# KiCad board EOutside.kicad_pcb (continued)
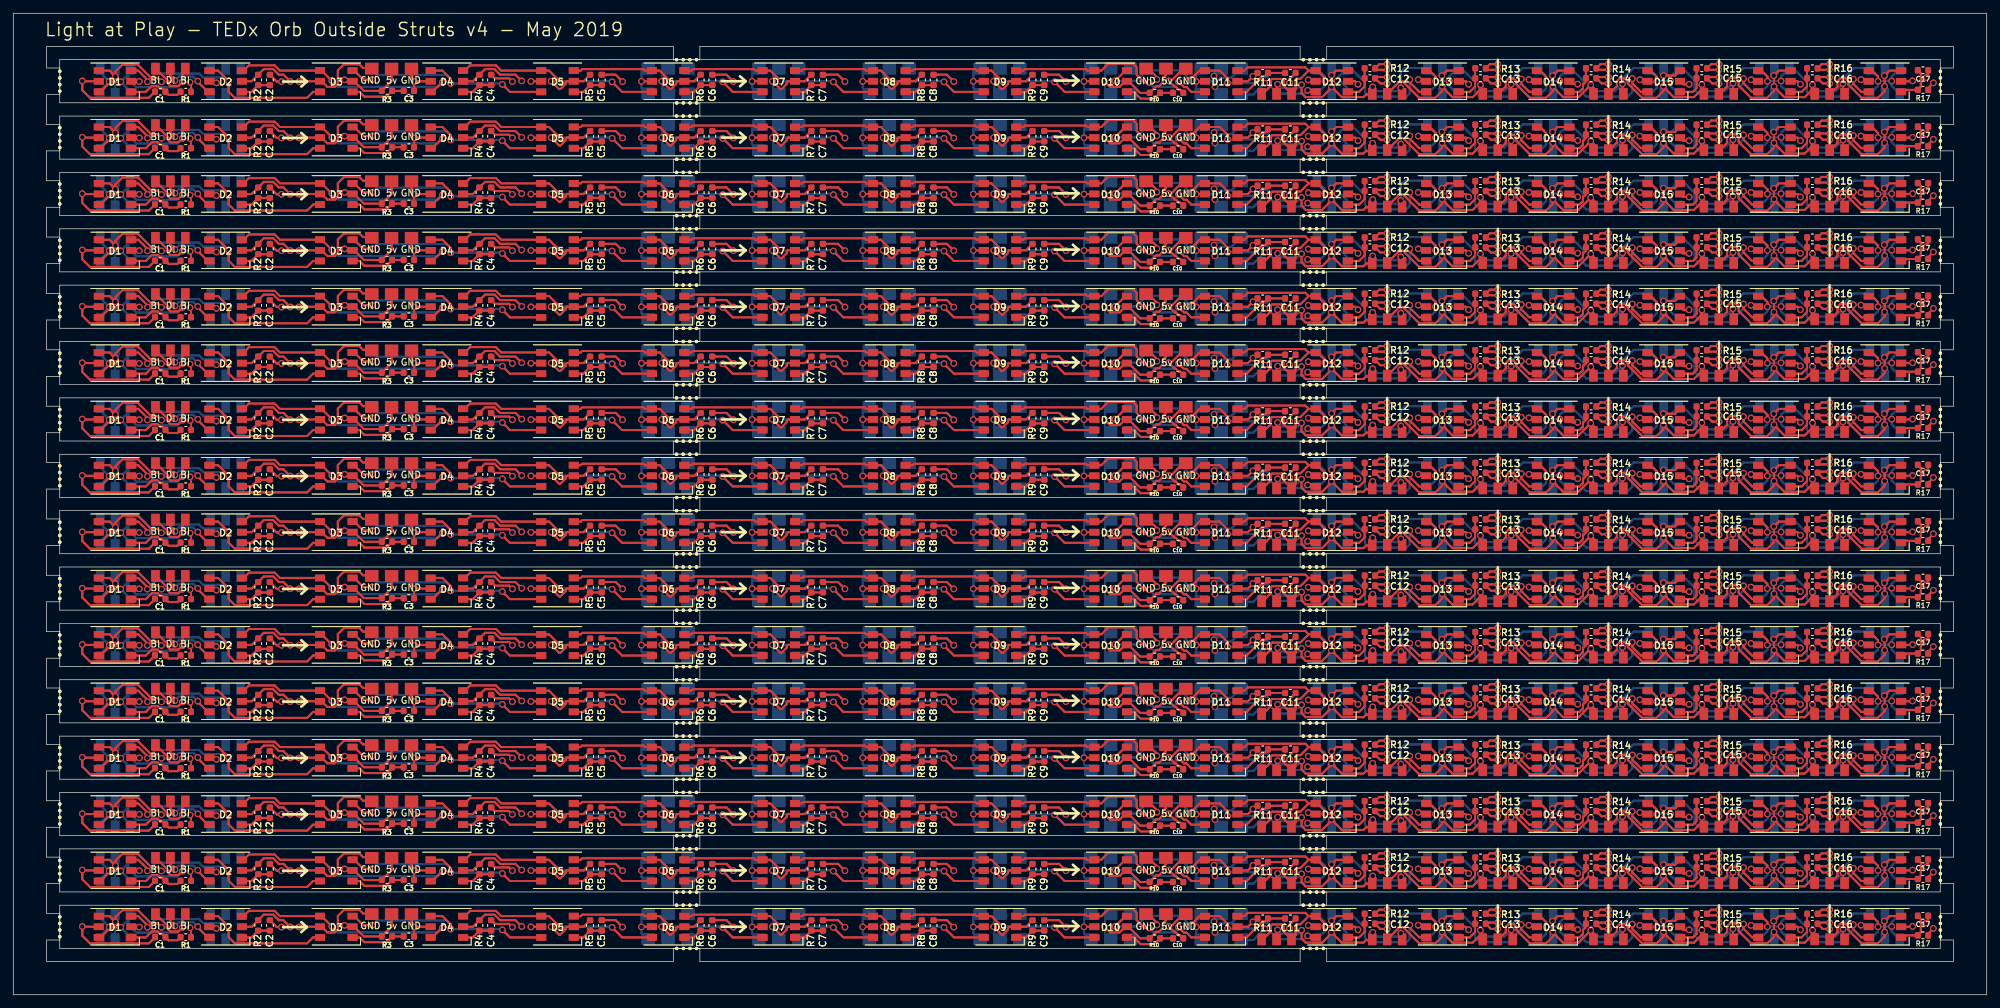
[diagram p0: board, top side]
## Routing (per net, layer and track width the routed paths; a pad name or vN(x,y) marks a point on that pad's centre or on a via; arc(x,y) is an arc through that point) (continued)
Net-(D13-Pad3): length 2307.6
  Top w0.3: 207,127.35 207,127.25 207,127.35 ; 207,127.35 208.85,129.2 ; 207,127.35 208.85,129.2 ; 209.37,129.2 211.82,126.75 ; 209.37,129.2 208.85,129.2 ; 209.37,129.2 208.85,129.2 ; 209.37,129.2 211.82,126.75 ; 211.82,126.75 214.27,126.75 ; 211.82,126.75 214.27,126.75 ; 215.28,127.77 v1(215.28,128.47) ; 215.28,127.77 214.27,126.75 ; 215.28,127.77 214.27,126.75 ; 215.28,127.77 v1(215.28,128.47) ; v1(215.28,128.47) 215.28,130.06 ; v1(215.28,128.47) 215.28,130.06 ; 216,130.85 D13#2.3 216,130.85 ; 216,130.85 215.75,130.59 ; 216,130.85 215.75,130.59 ; 215.75,130.59 v1(215.25,130.09) ; 215.75,130.59 v1(215.25,130.09) ; v1(215.25,130.09) 215.28,130.06 ; v1(215.25,130.09) 215.28,130.06 ; 230.95,129.93 v1(230.95,129.23) 230.95,129.93 ; 230.95,129.93 230.04,130.85 ; 230.95,129.93 230.04,130.85 ; 230.04,130.85 D14#2.4 230.04,130.85 ; 216.84,126.85 215.27,128.42 216.84,126.85 ; 216.84,126.85 219.88,126.85 ; 216.84,126.85 219.88,126.85 ; 219.88,126.85 221.05,128.02 ; 219.88,126.85 221.05,128.02 ; 221.05,128.02 v1(221.05,128.73) 221.05,128.02 ; 225.68,127.49 225.92,127.25 225.68,127.49 ; 225.68,127.49 225.68,128.07 ; 225.68,127.49 225.68,128.07 ; 225.68,128.07 v1(225.68,128.78) 225.68,128.07 ; 245.22,127.65 D15#2.6 245.22,127.65 ; 245.22,127.65 243.93,128.94 ; 245.22,127.65 243.93,128.94 ; 243.93,128.94 v1(243.93,129.65) 243.93,128.94 ; 207,118.85 207,118.75 207,118.85 ; 207,118.85 208.85,120.7 ; 207,118.85 208.85,120.7 ; 209.37,120.7 211.82,118.25 ; 209.37,120.7 208.85,120.7 ; 209.37,120.7 211.82,118.25 ; 209.37,120.7 208.85,120.7 ; 211.82,118.25 214.27,118.25 ; 211.82,118.25 214.27,118.25 ; 215.28,119.27 v1(215.28,119.97) ; 215.28,119.27 214.27,118.25 ; 215.28,119.27 v1(215.28,119.97) ; 215.28,119.27 214.27,118.25 ; v1(215.28,119.97) 215.28,121.56 ; v1(215.28,119.97) 215.28,121.56 ; 216,122.35 D13#3.3 216,122.35 ; 216,122.35 215.75,122.09 ; 216,122.35 215.75,122.09 ; 215.75,122.09 v1(215.25,121.59) ; 215.75,122.09 v1(215.25,121.59) ; v1(215.25,121.59) 215.28,121.56 ; v1(215.25,121.59) 215.28,121.56 ; 230.95,121.43 v1(230.95,120.73) 230.95,121.43 ; 230.95,121.43 230.04,122.35 ; 230.95,121.43 230.04,122.35 ; 230.04,122.35 D14#3.4 230.04,122.35 ; 216.84,118.35 215.27,119.92 216.84,118.35 ; 216.84,118.35 219.88,118.35 ; 216.84,118.35 219.88,118.35 ; 219.88,118.35 221.05,119.52 ; 219.88,118.35 221.05,119.52 ; 221.05,119.52 v1(221.05,120.23) 221.05,119.52 ; 225.68,118.99 225.92,118.75 225.68,118.99 ; 225.68,118.99 225.68,119.57 ; 225.68,118.99 225.68,119.57 ; 225.68,119.57 v1(225.68,120.28) 225.68,119.57 ; 245.22,119.15 D15#3.6 245.22,119.15 ; 245.22,119.15 243.93,120.44 ; 245.22,119.15 243.93,120.44 ; 243.93,120.44 v1(243.93,121.15) 243.93,120.44 ; 243.93,111.94 v1(243.93,112.65) 243.93,111.94 ; 243.93,111.94 245.22,110.65 ; 243.93,111.94 245.22,110.65 ; 245.22,110.65 D15#4.6 245.22,110.65 ; 225.68,110.49 225.68,111.07 ; 225.68,110.49 225.92,110.25 225.68,110.49 ; 225.68,110.49 225.68,111.07 ; 225.68,111.07 v1(225.68,111.78) 225.68,111.07 ; 221.05,111.02 v1(221.05,111.73) 221.05,111.02 ; 221.05,111.02 219.88,109.85 ; 221.05,111.02 219.88,109.85 ; 219.88,109.85 216.84,109.85 ; 219.88,109.85 216.84,109.85 ; 216.84,109.85 215.27,111.42 216.84,109.85 ; 230.04,113.85 D14#4.4 230.04,113.85 ; 230.04,113.85 230.95,112.93 ; 230.04,113.85 230.95,112.93 ; 230.95,112.93 v1(230.95,112.23) 230.95,112.93 ; v1(215.28,111.47) 215.28,113.06 ; v1(215.28,111.47) 215.28,110.77 ; v1(215.28,111.47) 215.28,113.06 ; v1(215.28,111.47) 215.28,110.77 ; 215.28,113.06 v1(215.25,113.09) ; 215.28,113.06 v1(215.25,113.09) ; v1(215.25,113.09) 215.75,113.59 ; v1(215.25,113.09) 215.75,113.59 ; 216,113.85 215.75,113.59 ; 216,113.85 D13#4.3 216,113.85 ; 216,113.85 215.75,113.59 ; 207,110.35 208.85,112.2 ; 207,110.35 207,110.25 207,110.35 ; 207,110.35 208.85,112.2 ; 208.85,112.2 209.37,112.2 ; 208.85,112.2 209.37,112.2 ; 211.82,109.75 214.27,109.75 ; 211.82,109.75 209.37,112.2 ; 211.82,109.75 214.27,109.75 ; 211.82,109.75 209.37,112.2 ; 214.27,109.75 215.28,110.77 ; 214.27,109.75 215.28,110.77 ; 207,135.85 207,135.75 207,135.85 ; 207,135.85 208.85,137.7 ; 207,135.85 208.85,137.7 ; 209.37,137.7 211.82,135.25 ; 209.37,137.7 208.85,137.7 ; 209.37,137.7 211.82,135.25 ; 209.37,137.7 208.85,137.7 ; 211.82,135.25 214.27,135.25 ; 211.82,135.25 214.27,135.25 ; 215.28,136.27 v1(215.28,136.97) ; 215.28,136.27 214.27,135.25 ; 215.28,136.27 v1(215.28,136.97) ; 215.28,136.27 214.27,135.25 ; v1(215.28,136.97) 215.28,138.56 ; v1(215.28,136.97) 215.28,138.56 ; 216,139.35 D13.3 216,139.35 ; 216,139.35 215.75,139.09 ; 216,139.35 215.75,139.09 ; 215.75,139.09 v1(215.25,138.59) ; 215.75,139.09 v1(215.25,138.59) ; v1(215.25,138.59) 215.28,138.56 ; v1(215.25,138.59) 215.28,138.56 ; 230.95,138.43 v1(230.95,137.73) 230.95,138.43 ; 230.95,138.43 230.04,139.35 ; 230.95,138.43 230.04,139.35 ; 230.04,139.35 D14.4 230.04,139.35 ; 216.84,135.35 215.27,136.92 216.84,135.35 ; 216.84,135.35 219.88,135.35 ; 216.84,135.35 219.88,135.35 ; 219.88,135.35 221.05,136.52 ; 219.88,135.35 221.05,136.52 ; 221.05,136.52 v1(221.05,137.23) 221.05,136.52 ; 225.68,135.99 225.92,135.75 225.68,135.99 ; 225.68,135.99 225.68,136.57 ; 225.68,135.99 225.68,136.57 ; 225.68,136.57 v1(225.68,137.28) 225.68,136.57 ; 245.22,136.15 D15.6 245.22,136.15 ; 245.22,136.15 243.93,137.44 ; 245.22,136.15 243.93,137.44 ; 243.93,137.44 v1(243.93,138.15) 243.93,137.44 ; 207,101.85 207,101.75 207,101.85 ; 207,101.85 208.85,103.7 ; 207,101.85 208.85,103.7 ; 209.37,103.7 211.82,101.25 ; 209.37,103.7 208.85,103.7 ; 209.37,103.7 211.82,101.25 ; 209.37,103.7 208.85,103.7 ; 211.82,101.25 214.27,101.25 ; 211.82,101.25 214.27,101.25 ; 215.28,102.27 v1(215.28,102.97) ; 215.28,102.27 214.27,101.25 ; 215.28,102.27 v1(215.28,102.97) ; 215.28,102.27 214.27,101.25 ; v1(215.28,102.97) 215.28,104.56 ; v1(215.28,102.97) 215.28,104.56 ; 216,105.35 D13#11.3 216,105.35 ; 216,105.35 215.75,105.09 ; 216,105.35 215.75,105.09 ; 215.75,105.09 v1(215.25,104.59) ; 215.75,105.09 v1(215.25,104.59) ; v1(215.25,104.59) 215.28,104.56 ; v1(215.25,104.59) 215.28,104.56 ; 230.95,104.43 v1(230.95,103.73) 230.95,104.43 ; 230.95,104.43 230.04,105.35 ; 230.95,104.43 230.04,105.35 ; 230.04,105.35 D14#11.4 230.04,105.35 ; 216.84,101.35 215.27,102.92 216.84,101.35 ; 216.84,101.35 219.88,101.35 ; 216.84,101.35 219.88,101.35 ; 219.88,101.35 221.05,102.52 ; 219.88,101.35 221.05,102.52 ; 221.05,102.52 v1(221.05,103.23) 221.05,102.52 ; 225.68,101.99 225.92,101.75 225.68,101.99 ; 225.68,101.99 225.68,102.57 ; 225.68,101.99 225.68,102.57 ; 225.68,102.57 v1(225.68,103.28) 225.68,102.57 ; 245.22,102.15 D15#12.6 245.22,102.15 ; 245.22,102.15 243.93,103.44 ; 245.22,102.15 243.93,103.44 ; 243.93,103.44 v1(243.93,104.15) 243.93,103.44 ; 243.93,94.94 v1(243.93,95.65) 243.93,94.94 ; 243.93,94.94 245.22,93.65 ; 243.93,94.94 245.22,93.65 ; 245.22,93.65 D15#14.6 245.22,93.65 ; 225.68,93.49 225.68,94.07 ; 225.68,93.49 225.92,93.25 225.68,93.49 ; 225.68,93.49 225.68,94.07 ; 225.68,94.07 v1(225.68,94.78) 225.68,94.07 ; 221.05,94.02 v1(221.05,94.73) 221.05,94.02 ; 221.05,94.02 219.88,92.85 ; 221.05,94.02 219.88,92.85 ; 219.88,92.85 216.84,92.85 ; 219.88,92.85 216.84,92.85 ; 216.84,92.85 215.27,94.42 216.84,92.85 ; 230.04,96.85 D14#14.4 230.04,96.85 ; 230.04,96.85 230.95,95.93 ; 230.04,96.85 230.95,95.93 ; 230.95,95.93 v1(230.95,95.23) 230.95,95.93 ; v1(215.28,94.47) 215.28,96.06 ; v1(215.28,94.47) 215.28,93.77 ; v1(215.28,94.47) 215.28,96.06 ; v1(215.28,94.47) 215.28,93.77 ; 215.28,96.06 v1(215.25,96.09) ; 215.28,96.06 v1(215.25,96.09) ; v1(215.25,96.09) 215.75,96.59 ; v1(215.25,96.09) 215.75,96.59 ; 216,96.85 215.75,96.59 ; 216,96.85 D13#14.3 216,96.85 ; 216,96.85 215.75,96.59 ; 207,93.35 208.85,95.2 ; 207,93.35 207,93.25 207,93.35 ; 207,93.35 208.85,95.2 ; 208.85,95.2 209.37,95.2 ; 208.85,95.2 209.37,95.2 ; 211.82,92.75 214.27,92.75 ; 211.82,92.75 209.37,95.2 ; 211.82,92.75 214.27,92.75 ; 211.82,92.75 209.37,95.2 ; 214.27,92.75 215.28,93.77 ; 214.27,92.75 215.28,93.77 ; 243.93,77.94 v1(243.93,78.65) 243.93,77.94 ; 243.93,77.94 245.22,76.65 ; 243.93,77.94 245.22,76.65 ; 245.22,76.65 D15#11.6 245.22,76.65 ; 225.68,76.49 225.68,77.07 ; 225.68,76.49 225.92,76.25 225.68,76.49 ; 225.68,76.49 225.68,77.07 ; 225.68,77.07 v1(225.68,77.78) 225.68,77.07 ; 221.05,77.02 v1(221.05,77.73) 221.05,77.02 ; 221.05,77.02 219.88,75.85 ; 221.05,77.02 219.88,75.85 ; 219.88,75.85 216.84,75.85 ; 219.88,75.85 216.84,75.85 ; 216.84,75.85 215.27,77.42 216.84,75.85 ; 230.04,79.85 D14#10.4 230.04,79.85 ; 230.04,79.85 230.95,78.93 ; 230.04,79.85 230.95,78.93 ; 230.95,78.93 v1(230.95,78.23) 230.95,78.93 ; v1(215.28,77.47) 215.28,79.06 ; v1(215.28,77.47) 215.28,76.77 ; v1(215.28,77.47) 215.28,79.06 ; v1(215.28,77.47) 215.28,76.77 ; 215.28,79.06 v1(215.25,79.09) ; 215.28,79.06 v1(215.25,79.09) ; v1(215.25,79.09) 215.75,79.59 ; v1(215.25,79.09) 215.75,79.59 ; 216,79.85 215.75,79.59 ; 216,79.85 D13#9.3 216,79.85 ; 216,79.85 215.75,79.59 ; 207,76.35 208.85,78.2 ; 207,76.35 207,76.25 207,76.35 ; 207,76.35 208.85,78.2 ; 208.85,78.2 209.37,78.2 ; 208.85,78.2 209.37,78.2 ; 211.82,75.75 214.27,75.75 ; 211.82,75.75 209.37,78.2 ; 211.82,75.75 214.27,75.75 ; 211.82,75.75 209.37,78.2 ; 214.27,75.75 215.28,76.77 ; 214.27,75.75 215.28,76.77 ; 207,84.85 207,84.75 207,84.85 ; 207,84.85 208.85,86.7 ; 207,84.85 208.85,86.7 ; 209.37,86.7 211.82,84.25 ; 209.37,86.7 208.85,86.7 ; 209.37,86.7 208.85,86.7 ; 209.37,86.7 211.82,84.25 ; 211.82,84.25 214.27,84.25 ; 211.82,84.25 214.27,84.25 ; 215.28,85.27 v1(215.28,85.97) ; 215.28,85.27 214.27,84.25 ; 215.28,85.27 v1(215.28,85.97) ; 215.28,85.27 214.27,84.25 ; v1(215.28,85.97) 215.28,87.56 ; v1(215.28,85.97) 215.28,87.56 ; 216,88.35 D13#10.3 216,88.35 ; 216,88.35 215.75,88.09 ; 216,88.35 215.75,88.09 ; 215.75,88.09 v1(215.25,87.59) ; 215.75,88.09 v1(215.25,87.59) ; v1(215.25,87.59) 215.28,87.56 ; v1(215.25,87.59) 215.28,87.56 ; 230.95,87.43 v1(230.95,86.73) 230.95,87.43 ; 230.95,87.43 230.04,88.35 ; 230.95,87.43 230.04,88.35 ; 230.04,88.35 D14#9.4 230.04,88.35 ; 216.84,84.35 215.27,85.92 216.84,84.35 ; 216.84,84.35 219.88,84.35 ; 216.84,84.35 219.88,84.35 ; 219.88,84.35 221.05,85.52 ; 219.88,84.35 221.05,85.52 ; 221.05,85.52 v1(221.05,86.23) 221.05,85.52 ; 225.68,84.99 225.92,84.75 225.68,84.99 ; 225.68,84.99 225.68,85.57 ; 225.68,84.99 225.68,85.57 ; 225.68,85.57 v1(225.68,86.28) 225.68,85.57 ; 245.22,85.15 D15#9.6 245.22,85.15 ; 245.22,85.15 243.93,86.44 ; 245.22,85.15 243.93,86.44 ; 243.93,86.44 v1(243.93,87.15) 243.93,86.44 ; 207,67.85 207,67.75 207,67.85 ; 207,67.85 208.85,69.7 ; 207,67.85 208.85,69.7 ; 209.37,69.7 211.82,67.25 ; 209.37,69.7 208.85,69.7 ; 209.37,69.7 211.82,67.25 ; 209.37,69.7 208.85,69.7 ; 211.82,67.25 214.27,67.25 ; 211.82,67.25 214.27,67.25 ; 215.28,68.27 v1(215.28,68.97) ; 215.28,68.27 214.27,67.25 ; 215.28,68.27 v1(215.28,68.97) ; 215.28,68.27 214.27,67.25 ; v1(215.28,68.97) 215.28,70.56 ; v1(215.28,68.97) 215.28,70.56 ; 216,71.35 D13#23.3 216,71.35 ; 216,71.35 215.75,71.09 ; 216,71.35 215.75,71.09 ; 215.75,71.09 v1(215.25,70.59) ; 215.75,71.09 v1(215.25,70.59) ; v1(215.25,70.59) 215.28,70.56 ; v1(215.25,70.59) 215.28,70.56 ; 230.95,70.43 v1(230.95,69.73) 230.95,70.43 ; 230.95,70.43 230.04,71.35 ; 230.95,70.43 230.04,71.35 ; 230.04,71.35 D14#22.4 230.04,71.35 ; 216.84,67.35 215.27,68.92 216.84,67.35 ; 216.84,67.35 219.88,67.35 ; 216.84,67.35 219.88,67.35 ; 219.88,67.35 221.05,68.52 ; 219.88,67.35 221.05,68.52 ; 221.05,68.52 v1(221.05,69.23) 221.05,68.52 ; 225.68,67.99 225.92,67.75 225.68,67.99 ; 225.68,67.99 225.68,68.57 ; 225.68,67.99 225.68,68.57 ; 225.68,68.57 v1(225.68,69.28) 225.68,68.57 ; 245.22,68.15 D15#19.6 245.22,68.15 ; 245.22,68.15 243.93,69.44 ; 245.22,68.15 243.93,69.44 ; 243.93,69.44 v1(243.93,70.15) 243.93,69.44 ; 243.93,60.94 v1(243.93,61.65) 243.93,60.94 ; 243.93,60.94 245.22,59.65 ; 243.93,60.94 245.22,59.65 ; 245.22,59.65 D15#20.6 245.22,59.65 ; 225.68,59.49 225.68,60.07 ; 225.68,59.49 225.92,59.25 225.68,59.49 ; 225.68,59.49 225.68,60.07 ; 225.68,60.07 v1(225.68,60.78) 225.68,60.07 ; 221.05,60.02 v1(221.05,60.73) 221.05,60.02 ; 221.05,60.02 219.88,58.85 ; 221.05,60.02 219.88,58.85 ; 219.88,58.85 216.84,58.85 ; 219.88,58.85 216.84,58.85 ; 216.84,58.85 215.27,60.42 216.84,58.85 ; 230.04,62.85 D14#17.4 230.04,62.85 ; 230.04,62.85 230.95,61.93 ; 230.04,62.85 230.95,61.93 ; 230.95,61.93 v1(230.95,61.23) 230.95,61.93 ; v1(215.28,60.47) 215.28,62.06 ; v1(215.28,60.47) 215.28,59.77 ; v1(215.28,60.47) 215.28,62.06 ; v1(215.28,60.47) 215.28,59.77 ; 215.28,62.06 v1(215.25,62.09) ; 215.28,62.06 v1(215.25,62.09) ; v1(215.25,62.09) 215.75,62.59 ; v1(215.25,62.09) 215.75,62.59 ; 216,62.85 215.75,62.59 ; 216,62.85 D13#21.3 216,62.85 ; 216,62.85 215.75,62.59 ; 207,59.35 208.85,61.2 ; 207,59.35 207,59.25 207,59.35 ; 207,59.35 208.85,61.2 ; 208.85,61.2 209.37,61.2 ; 208.85,61.2 209.37,61.2 ; 211.82,58.75 214.27,58.75 ; 211.82,58.75 209.37,61.2 ; 211.82,58.75 214.27,58.75 ; 211.82,58.75 209.37,61.2 ; 214.27,58.75 215.28,59.77 ; 214.27,58.75 215.28,59.77 ; 243.93,43.94 v1(243.93,44.65) 243.93,43.94 ; 243.93,43.94 245.22,42.65 ; 243.93,43.94 245.22,42.65 ; 245.22,42.65 D15#18.6 245.22,42.65 ; 225.68,42.49 225.68,43.07 ; 225.68,42.49 225.92,42.25 225.68,42.49 ; 225.68,42.49 225.68,43.07 ; 225.68,43.07 v1(225.68,43.78) 225.68,43.07 ; 221.05,43.02 v1(221.05,43.73) 221.05,43.02 ; 221.05,43.02 219.88,41.85 ; 221.05,43.02 219.88,41.85 ; 219.88,41.85 216.84,41.85 ; 219.88,41.85 216.84,41.85 ; 216.84,41.85 215.27,43.42 216.84,41.85 ; 230.04,45.85 D14#19.4 230.04,45.85 ; 230.04,45.85 230.95,44.93 ; 230.04,45.85 230.95,44.93 ; 230.95,44.93 v1(230.95,44.23) 230.95,44.93 ; v1(215.28,43.47) 215.28,45.06 ; v1(215.28,43.47) 215.28,42.77 ; v1(215.28,43.47) 215.28,45.06 ; v1(215.28,43.47) 215.28,42.77 ; 215.28,45.06 v1(215.25,45.09) ; 215.28,45.06 v1(215.25,45.09) ; v1(215.25,45.09) 215.75,45.59 ; v1(215.25,45.09) 215.75,45.59 ; 216,45.85 215.75,45.59 ; 216,45.85 D13#18.3 216,45.85 ; 216,45.85 215.75,45.59 ; 207,42.35 208.85,44.2 ; 207,42.35 207,42.25 207,42.35 ; 207,42.35 208.85,44.2 ; 208.85,44.2 209.37,44.2 ; 208.85,44.2 209.37,44.2 ; 211.82,41.75 214.27,41.75 ; 211.82,41.75 209.37,44.2 ; 211.82,41.75 214.27,41.75 ; 211.82,41.75 209.37,44.2 ; 214.27,41.75 215.28,42.77 ; 214.27,41.75 215.28,42.77 ; 207,50.85 207,50.75 207,50.85 ; 207,50.85 208.85,52.7 ; 207,50.85 208.85,52.7 ; 209.37,52.7 211.82,50.25 ; 209.37,52.7 208.85,52.7 ; 209.37,52.7 208.85,52.7 ; 209.37,52.7 211.82,50.25 ; 211.82,50.25 214.27,50.25 ; 211.82,50.25 214.27,50.25 ; 215.28,51.27 v1(215.28,51.97) ; 215.28,51.27 214.27,50.25 ; 215.28,51.27 v1(215.28,51.97) ; 215.28,51.27 214.27,50.25 ; v1(215.28,51.97) 215.28,53.56 ; v1(215.28,51.97) 215.28,53.56 ; 216,54.35 D13#17.3 216,54.35 ; 216,54.35 215.75,54.09 ; 216,54.35 215.75,54.09 ; 215.75,54.09 v1(215.25,53.59) ; 215.75,54.09 v1(215.25,53.59) ; v1(215.25,53.59) 215.28,53.56 ; v1(215.25,53.59) 215.28,53.56 ; 230.95,53.43 v1(230.95,52.73) 230.95,53.43 ; 230.95,53.43 230.04,54.35 ; 230.95,53.43 230.04,54.35 ; 230.04,54.35 D14#18.4 230.04,54.35 ; 216.84,50.35 215.27,51.92 216.84,50.35 ; 216.84,50.35 219.88,50.35 ; 216.84,50.35 219.88,50.35 ; 219.88,50.35 221.05,51.52 ; 219.88,50.35 221.05,51.52 ; 221.05,51.52 v1(221.05,52.23) 221.05,51.52 ; 225.68,50.99 225.92,50.75 225.68,50.99 ; 225.68,50.99 225.68,51.57 ; 225.68,50.99 225.68,51.57 ; 225.68,51.57 v1(225.68,52.28) 225.68,51.57 ; 245.22,51.15 D15#17.6 245.22,51.15 ; 245.22,51.15 243.93,52.44 ; 245.22,51.15 243.93,52.44 ; 243.93,52.44 v1(243.93,53.15) 243.93,52.44 ; 215.28,36.56 v1(215.25,36.59) ; 215.28,36.56 v1(215.28,34.97) ; 215.28,36.56 v1(215.25,36.59) ; 215.28,36.56 v1(215.28,34.97) ; v1(215.25,36.59) 215.75,37.09 ; v1(215.25,36.59) 215.75,37.09 ; v1(215.28,34.97) 215.28,34.27 ; v1(215.28,34.97) 215.28,34.27 ; 230.95,36.43 v1(230.95,35.73) 230.95,36.43 ; 230.95,36.43 230.04,37.35 ; 230.95,36.43 230.04,37.35 ; 230.04,37.35 D14#30.4 230.04,37.35 ; 216.84,33.35 215.27,34.92 216.84,33.35 ; 216.84,33.35 219.88,33.35 ; 216.84,33.35 219.88,33.35 ; 219.88,33.35 221.05,34.52 ; 219.88,33.35 221.05,34.52 ; 221.05,34.52 v1(221.05,35.23) 221.05,34.52 ; 225.68,33.99 225.92,33.75 225.68,33.99 ; 225.68,33.99 225.68,34.57 ; 225.68,33.99 225.68,34.57 ; 225.68,34.57 v1(225.68,35.28) 225.68,34.57 ; 245.22,34.15 D15#29.6 245.22,34.15 ; 245.22,34.15 243.93,35.44 ; 245.22,34.15 243.93,35.44 ; 243.93,35.44 v1(243.93,36.15) 243.93,35.44 ; 207,33.85 207,33.75 207,33.85 ; 207,33.85 208.85,35.7 ; 207,33.85 208.85,35.7 ; 209.37,35.7 211.82,33.25 ; 209.37,35.7 208.85,35.7 ; 209.37,35.7 211.82,33.25 ; 209.37,35.7 208.85,35.7 ; 211.82,33.25 214.27,33.25 ; 211.82,33.25 214.27,33.25 ; 215.28,34.27 214.27,33.25 ; 215.28,34.27 214.27,33.25 ; 216,37.35 D13#30.3 216,37.35 ; 216,37.35 215.75,37.09 ; 216,37.35 215.75,37.09 ; 216.84,7.85 215.27,9.42 216.84,7.85 ; 216.84,7.85 219.88,7.85 ; 216.84,7.85 219.88,7.85 ; 230.04,11.85 D14#29.4 230.04,11.85 ; 230.04,11.85 230.95,10.93 ; 230.04,11.85 230.95,10.93 ; 230.95,10.93 v1(230.95,10.23) 230.95,10.93 ; v1(215.28,9.47) 215.28,11.06 ; v1(215.28,9.47) 215.28,8.77 ; v1(215.28,9.47) 215.28,11.06 ; v1(215.28,9.47) 215.28,8.77 ; 215.28,11.06 v1(215.25,11.09) ; 215.28,11.06 v1(215.25,11.09) ; v1(215.25,11.09) 215.75,11.59 ; v1(215.25,11.09) 215.75,11.59 ; 216,11.85 215.75,11.59 ; 216,11.85 D13#28.3 216,11.85 ; 216,11.85 215.75,11.59 ; 207,8.35 208.85,10.2 ; 207,8.35 207,8.25 207,8.35 ; 207,8.35 208.85,10.2 ; 208.85,10.2 209.37,10.2 ; 208.85,10.2 209.37,10.2 ; 211.82,7.75 214.27,7.75 ; 211.82,7.75 209.37,10.2 ; 211.82,7.75 214.27,7.75 ; 211.82,7.75 209.37,10.2 ; 214.27,7.75 215.28,8.77 ; 214.27,7.75 215.28,8.77 ; 207,16.85 207,16.75 207,16.85 ; 207,16.85 208.85,18.7 ; 207,16.85 208.85,18.7 ; 209.37,18.7 211.82,16.25 ; 209.37,18.7 208.85,18.7 ; 209.37,18.7 208.85,18.7 ; 209.37,18.7 211.82,16.25 ; 211.82,16.25 214.27,16.25 ; 211.82,16.25 214.27,16.25 ; 215.28,17.27 v1(215.28,17.97) ; 215.28,17.27 214.27,16.25 ; 215.28,17.27 v1(215.28,17.97) ; 215.28,17.27 214.27,16.25 ; v1(215.28,17.97) 215.28,19.56 ; v1(215.28,17.97) 215.28,19.56 ; 216,20.35 D13#26.3 216,20.35 ; 216,20.35 215.75,20.09 ; 216,20.35 215.75,20.09 ; 215.75,20.09 v1(215.25,19.59) ; 215.75,20.09 v1(215.25,19.59) ; v1(215.25,19.59) 215.28,19.56 ; v1(215.25,19.59) 215.28,19.56 ; 230.95,19.43 v1(230.95,18.73) 230.95,19.43 ; 230.95,19.43 230.04,20.35 ; 230.95,19.43 230.04,20.35 ; 230.04,20.35 D14#26.4 230.04,20.35 ; 216.84,16.35 215.27,17.92 216.84,16.35 ; 216.84,16.35 219.88,16.35 ; 216.84,16.35 219.88,16.35 ; 219.88,16.35 221.05,17.52 ; 219.88,16.35 221.05,17.52 ; 221.05,17.52 v1(221.05,18.23) 221.05,17.52 ; 225.68,16.99 225.92,16.75 225.68,16.99 ; 225.68,16.99 225.68,17.57 ; 225.68,16.99 225.68,17.57 ; 225.68,17.57 v1(225.68,18.28) 225.68,17.57 ; 245.22,17.15 D15#28.6 245.22,17.15 ; 245.22,17.15 243.93,18.44 ; 245.22,17.15 243.93,18.44 ; 243.93,18.44 v1(243.93,19.15) 243.93,18.44 ; 243.93,9.94 v1(243.93,10.65) 243.93,9.94 ; 243.93,9.94 245.22,8.65 ; 243.93,9.94 245.22,8.65 ; 245.22,8.65 D15#26.6 245.22,8.65 ; 225.68,8.49 225.68,9.07 ; 225.68,8.49 225.92,8.25 225.68,8.49 ; 225.68,8.49 225.68,9.07 ; 225.68,9.07 v1(225.68,9.78) 225.68,9.07 ; 221.05,9.02 v1(221.05,9.73) 221.05,9.02 ; 221.05,9.02 219.88,7.85 ; 221.05,9.02 219.88,7.85 ; 243.93,26.94 v1(243.93,27.65) 243.93,26.94 ; 243.93,26.94 245.22,25.65 ; 243.93,26.94 245.22,25.65 ; 245.22,25.65 D15#25.6 245.22,25.65 ; 225.68,25.49 225.68,26.07 ; 225.68,25.49 225.92,25.25 225.68,25.49 ; 225.68,25.49 225.68,26.07 ; 225.68,26.07 v1(225.68,26.78) 225.68,26.07 ; 221.05,26.02 v1(221.05,26.73) 221.05,26.02 ; 221.05,26.02 219.88,24.85 ; 221.05,26.02 219.88,24.85 ; 219.88,24.85 216.84,24.85 ; 219.88,24.85 216.84,24.85 ; 216.84,24.85 215.27,26.42 216.84,24.85 ; 214.27,24.75 215.28,25.77 ; 214.27,24.75 211.82,24.75 ; 214.27,24.75 211.82,24.75 ; 214.27,24.75 215.28,25.77 ; 215.28,25.77 v1(215.28,26.47) ; 215.28,25.77 v1(215.28,26.47) ; 208.85,27.2 209.37,27.2 ; 208.85,27.2 207,25.35 ; 208.85,27.2 207,25.35 ; 208.85,27.2 209.37,27.2 ; 209.37,27.2 211.82,24.75 ; 209.37,27.2 211.82,24.75 ; v1(215.28,26.47) 215.28,28.06 ; v1(215.28,26.47) 215.28,28.06 ; 207,25.35 207,25.25 207,25.35 ; 230.04,28.85 D14#25.4 230.04,28.85 ; 230.04,28.85 230.95,27.93 ; 230.04,28.85 230.95,27.93 ; 230.95,27.93 v1(230.95,27.23) 230.95,27.93 ; 215.28,28.06 v1(215.25,28.09) ; 215.28,28.06 v1(215.25,28.09) ; v1(215.25,28.09) 215.75,28.59 ; v1(215.25,28.09) 215.75,28.59 ; 216,28.85 215.75,28.59 ; 216,28.85 D13#25.3 216,28.85 ; 216,28.85 215.75,28.59 ; 229.8,139.35 229.8,139.26 229.8,139.35 ; 229.8,130.85 229.8,130.76 229.8,130.85 ; 229.8,122.35 229.8,122.26 229.8,122.35 ; 229.8,113.85 229.8,113.76 229.8,113.85 ; 229.8,105.35 229.8,105.26 229.8,105.35 ; 229.8,96.85 229.8,96.76 229.8,96.85 ; 229.8,79.85 229.8,79.76 229.8,79.85 ; 229.8,88.35 229.8,88.26 229.8,88.35 ; 229.8,71.35 229.8,71.26 229.8,71.35 ; 229.8,62.85 229.8,62.76 229.8,62.85 ; 229.8,45.85 229.8,45.76 229.8,45.85 ; 229.8,54.35 229.8,54.26 229.8,54.35 ; 229.8,28.85 229.8,28.76 229.8,28.85 ; 229.8,11.85 229.8,11.76 229.8,11.85 ; 229.8,37.35 229.8,37.26 229.8,37.35 ; 229.8,20.35 229.8,20.26 229.8,20.35